# KiCad board Li-ion charger_panel.kicad_pcb (continued)
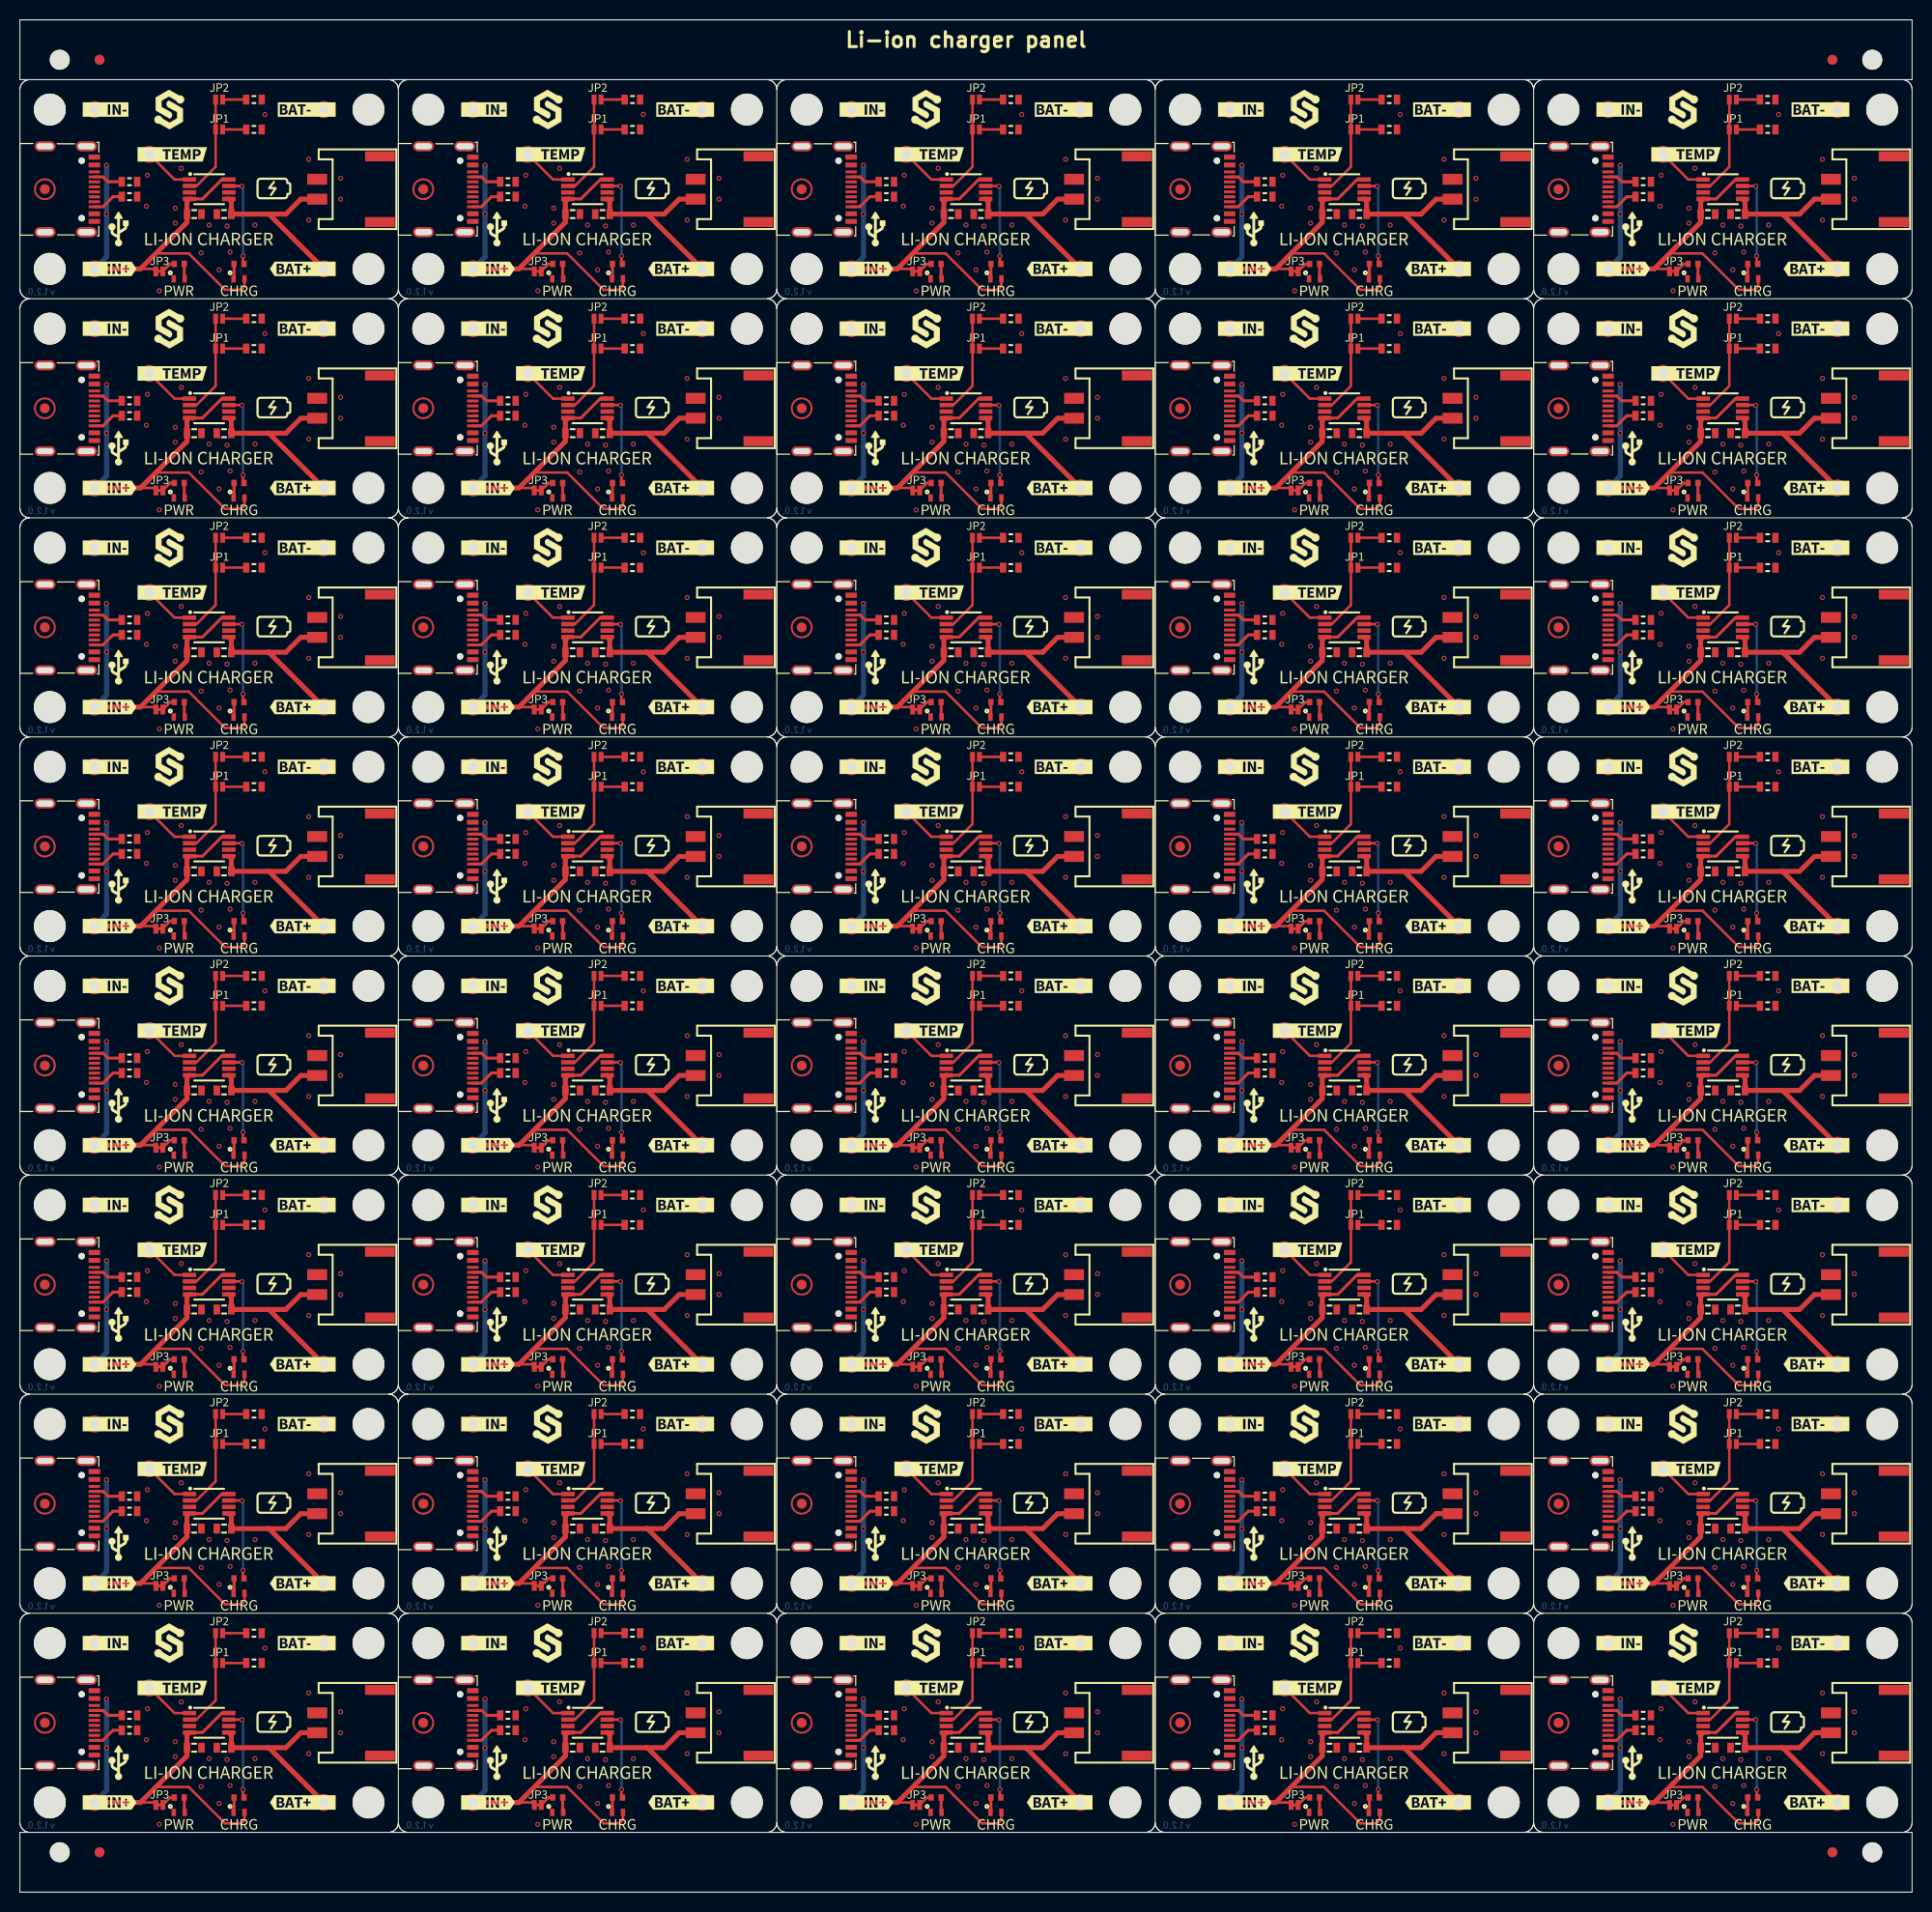
[diagram p0: board, top side]
## Placement (name value [footprint] x y rotation side) (continued)
H1#27  -  [HOLE_3.2mm]  149 69 270 top
H1#28  -  [HOLE_3.2mm]  149 25 270 top
H1#29  -  [HOLE_3.2mm]  187 179 270 top
H1#30  -  [HOLE_3.2mm]  149 47 270 top
H1#31  -  [HOLE_3.2mm]  111 157 270 top
H1#32  -  [HOLE_3.2mm]  111 179 270 top
H1#33  -  [HOLE_3.2mm]  35 91 270 top
H1#34  -  [HOLE_3.2mm]  73 113 270 top
H1#35  -  [HOLE_3.2mm]  149 91 270 top
H1#36  -  [HOLE_3.2mm]  111 47 270 top
H1#37  -  [HOLE_3.2mm]  111 25 270 top
H1#38  -  [HOLE_3.2mm]  73 179 270 top
H1#39  -  [HOLE_3.2mm]  73 91 270 top
H1#40  -  [HOLE_3.2mm]  35 179 270 top
H2  -  [HOLE_3.2mm]  79 69 270 top
H2#2  -  [HOLE_3.2mm]  3 113 270 top
H2#3  -  [HOLE_3.2mm]  79 25 270 top
H2#4  -  [HOLE_3.2mm]  117 25 270 top
H2#5  -  [HOLE_3.2mm]  3 47 270 top
H2#6  -  [HOLE_3.2mm]  117 47 270 top
H2#7  -  [HOLE_3.2mm]  41 113 270 top
H2#8  -  [HOLE_3.2mm]  41 135 270 top
H2#9  -  [HOLE_3.2mm]  79 135 270 top
H2#10  -  [HOLE_3.2mm]  155 157 270 top
H2#11  -  [HOLE_3.2mm]  79 157 270 top
H2#12  -  [HOLE_3.2mm]  3 69 270 top
H2#13  -  [HOLE_3.2mm]  3 91 270 top
H2#14  -  [HOLE_3.2mm]  3 135 270 top
H2#15  -  [HOLE_3.2mm]  41 157 270 top
H2#16  -  [HOLE_3.2mm]  79 113 270 top
H2#17  -  [HOLE_3.2mm]  41 47 270 top
H2#18  -  [HOLE_3.2mm]  41 91 270 top
H2#19  -  [HOLE_3.2mm]  155 179 270 top
H2#20  -  [HOLE_3.2mm]  155 25 270 top
H2#21  -  [HOLE_3.2mm]  117 91 270 top
H2#22  -  [HOLE_3.2mm]  41 69 270 top
H2#23  -  [HOLE_3.2mm]  41 179 270 top
H2#24  -  [HOLE_3.2mm]  41 25 270 top
H2#25  -  [HOLE_3.2mm]  3 157 270 top
H2#26  -  [HOLE_3.2mm]  79 179 270 top
H2#27  -  [HOLE_3.2mm]  117 179 270 top
H2#28  -  [HOLE_3.2mm]  155 113 270 top
H2#29  -  [HOLE_3.2mm]  155 135 270 top
H2#30  -  [HOLE_3.2mm]  79 91 270 top
H2#31  -  [HOLE_3.2mm]  155 91 270 top
H2#32  -  [HOLE_3.2mm]  117 113 270 top
H2#33  -  [HOLE_3.2mm]  117 135 270 top
H2#34  -  [HOLE_3.2mm]  155 69 270 top
H2#35  -  [HOLE_3.2mm]  117 157 270 top
H2#36  -  [HOLE_3.2mm]  3 179 270 top
H2#37  -  [HOLE_3.2mm]  117 69 270 top
H2#38  -  [HOLE_3.2mm]  79 47 270 top
H2#39  -  [HOLE_3.2mm]  3 25 270 top
H2#40  -  [HOLE_3.2mm]  155 47 270 top
H3  -  [HOLE_3.2mm]  187 31 270 top
H3#2  -  [HOLE_3.2mm]  73 31 270 top
H3#3  -  [HOLE_3.2mm]  35 97 270 top
H3#4  -  [HOLE_3.2mm]  73 119 270 top
H3#5  -  [HOLE_3.2mm]  187 119 270 top
H3#6  -  [HOLE_3.2mm]  73 9 270 top
H3#7  -  [HOLE_3.2mm]  35 163 270 top
H3#8  -  [HOLE_3.2mm]  35 141 270 top
H3#9  -  [HOLE_3.2mm]  35 9 270 top
H3#10  -  [HOLE_3.2mm]  187 9 270 top
H3#11  -  [HOLE_3.2mm]  187 75 270 top
H3#12  -  [HOLE_3.2mm]  35 53 270 top
H3#13  -  [HOLE_3.2mm]  149 163 270 top
H3#14  -  [HOLE_3.2mm]  187 97 270 top
H3#15  -  [HOLE_3.2mm]  111 53 270 top
H3#16  -  [HOLE_3.2mm]  111 31 270 top
H3#17  -  [HOLE_3.2mm]  149 141 270 top
H3#18  -  [HOLE_3.2mm]  149 9 270 top
H3#19  -  [HOLE_3.2mm]  73 53 270 top
H3#20  -  [HOLE_3.2mm]  73 75 270 top
H3#21  -  [HOLE_3.2mm]  187 163 270 top
H3#22  -  [HOLE_3.2mm]  149 31 270 top
H3#23  -  [HOLE_3.2mm]  111 9 270 top
H3#24  -  [HOLE_3.2mm]  111 163 270 top
H3#25  -  [HOLE_3.2mm]  35 75 270 top
H3#26  -  [HOLE_3.2mm]  149 75 270 top
H3#27  -  [HOLE_3.2mm]  187 141 270 top
H3#28  -  [HOLE_3.2mm]  149 119 270 top
H3#29  -  [HOLE_3.2mm]  111 75 270 top
H3#30  -  [HOLE_3.2mm]  111 141 270 top
H3#31  -  [HOLE_3.2mm]  73 141 270 top
H3#32  -  [HOLE_3.2mm]  187 53 270 top
H3#33  -  [HOLE_3.2mm]  73 163 270 top
H3#34  -  [HOLE_3.2mm]  35 119 270 top
H3#35  -  [HOLE_3.2mm]  149 97 270 top
H3#36  -  [HOLE_3.2mm]  73 97 270 top
H3#37  -  [HOLE_3.2mm]  111 97 270 top
H3#38  -  [HOLE_3.2mm]  149 53 270 top
H3#39  -  [HOLE_3.2mm]  111 119 270 top
H3#40  -  [HOLE_3.2mm]  35 31 270 top
H4  -  [HOLE_3.2mm]  117 31 270 top
H4#2  -  [HOLE_3.2mm]  117 75 270 top
H4#3  -  [HOLE_3.2mm]  155 163 270 top
H4#4  -  [HOLE_3.2mm]  79 31 270 top
H4#5  -  [HOLE_3.2mm]  79 75 270 top
H4#6  -  [HOLE_3.2mm]  3 53 270 top
H4#7  -  [HOLE_3.2mm]  155 9 270 top
H4#8  -  [HOLE_3.2mm]  41 141 270 top
H4#9  -  [HOLE_3.2mm]  79 53 270 top
H4#10  -  [HOLE_3.2mm]  155 119 270 top
H4#11  -  [HOLE_3.2mm]  41 53 270 top
H4#12  -  [HOLE_3.2mm]  3 97 270 top
H4#13  -  [HOLE_3.2mm]  155 75 270 top
H4#14  -  [HOLE_3.2mm]  3 9 270 top
H4#15  -  [HOLE_3.2mm]  79 97 270 top
H4#16  -  [HOLE_3.2mm]  79 119 270 top
H4#17  -  [HOLE_3.2mm]  41 31 270 top
H4#18  -  [HOLE_3.2mm]  155 141 270 top
H4#19  -  [HOLE_3.2mm]  117 53 270 top
H4#20  -  [HOLE_3.2mm]  117 97 270 top
H4#21  -  [HOLE_3.2mm]  117 163 270 top
H4#22  -  [HOLE_3.2mm]  79 9 270 top
H4#23  -  [HOLE_3.2mm]  117 119 270 top
H4#24  -  [HOLE_3.2mm]  117 9 270 top
H4#25  -  [HOLE_3.2mm]  155 53 270 top
H4#26  -  [HOLE_3.2mm]  3 163 270 top
H4#27  -  [HOLE_3.2mm]  41 75 270 top
H4#28  -  [HOLE_3.2mm]  41 97 270 top
H4#29  -  [HOLE_3.2mm]  79 141 270 top
H4#30  -  [HOLE_3.2mm]  155 31 270 top
H4#31  -  [HOLE_3.2mm]  41 9 270 top
H4#32  -  [HOLE_3.2mm]  117 141 270 top
H4#33  -  [HOLE_3.2mm]  3 141 270 top
H4#34  -  [HOLE_3.2mm]  3 31 270 top
H4#35  -  [HOLE_3.2mm]  41 119 270 top
H4#36  -  [HOLE_3.2mm]  3 119 270 top
H4#37  -  [HOLE_3.2mm]  155 97 270 top
H4#38  -  [HOLE_3.2mm]  3 75 270 top
H4#39  -  [HOLE_3.2mm]  79 163 270 top
H4#40  -  [HOLE_3.2mm]  41 163 270 top
JP1  -  [SMD_JUMPER]  172 155 180 top
JP1#2  -  [SMD_JUMPER]  172 89 180 top
JP1#3  -  [SMD_JUMPER]  96 67 180 top
JP1#4  -  [SMD_JUMPER]  20 111 180 top
JP1#5  -  [SMD_JUMPER]  58 133 180 top
JP1#6  -  [SMD_JUMPER]  20 23 180 top
JP1#7  -  [SMD_JUMPER]  172 111 180 top
JP1#8  -  [SMD_JUMPER]  20 67 180 top
JP1#9  -  [SMD_JUMPER]  172 45 180 top
JP1#10  -  [SMD_JUMPER]  58 89 180 top
JP1#11  -  [SMD_JUMPER]  134 67 180 top
JP1#12  -  [SMD_JUMPER]  172 133 180 top
JP1#13  -  [SMD_JUMPER]  58 23 180 top
JP1#14  -  [SMD_JUMPER]  134 23 180 top
JP1#15  -  [SMD_JUMPER]  172 67 180 top
JP1#16  -  [SMD_JUMPER]  58 67 180 top
JP1#17  -  [SMD_JUMPER]  134 155 180 top
JP1#18  -  [SMD_JUMPER]  20 177 180 top
JP1#19  -  [SMD_JUMPER]  58 111 180 top
JP1#20  -  [SMD_JUMPER]  20 89 180 top
JP1#21  -  [SMD_JUMPER]  58 45 180 top
JP1#22  -  [SMD_JUMPER]  58 177 180 top
JP1#23  -  [SMD_JUMPER]  172 177 180 top
JP1#24  -  [SMD_JUMPER]  96 111 180 top
JP1#25  -  [SMD_JUMPER]  134 177 180 top
JP1#26  -  [SMD_JUMPER]  96 155 180 top
JP1#27  -  [SMD_JUMPER]  20 133 180 top
JP1#28  -  [SMD_JUMPER]  58 155 180 top
JP1#29  -  [SMD_JUMPER]  96 89 180 top
JP1#30  -  [SMD_JUMPER]  96 177 180 top
JP1#31  -  [SMD_JUMPER]  134 133 180 top
JP1#32  -  [SMD_JUMPER]  134 111 180 top
JP1#33  -  [SMD_JUMPER]  134 89 180 top
JP1#34  -  [SMD_JUMPER]  172 23 180 top
JP1#35  -  [SMD_JUMPER]  96 45 180 top
JP1#36  -  [SMD_JUMPER]  20 45 180 top
JP1#37  -  [SMD_JUMPER]  20 155 180 top
JP1#38  -  [SMD_JUMPER]  96 23 180 top
JP1#39  -  [SMD_JUMPER]  134 45 180 top
JP1#40  -  [SMD_JUMPER]  96 133 180 top
JP2  SMD-JUMPER-CONNECTED  [SMD_JUMPER_CONNECTED]  172 158 180 top
JP2#2  SMD-JUMPER-CONNECTED  [SMD_JUMPER_CONNECTED]  58 158 180 top
JP2#3  SMD-JUMPER-CONNECTED  [SMD_JUMPER_CONNECTED]  134 48 180 top
JP2#4  SMD-JUMPER-CONNECTED  [SMD_JUMPER_CONNECTED]  96 114 180 top
JP2#5  SMD-JUMPER-CONNECTED  [SMD_JUMPER_CONNECTED]  96 70 180 top
JP2#6  SMD-JUMPER-CONNECTED  [SMD_JUMPER_CONNECTED]  58 26 180 top
JP2#7  SMD-JUMPER-CONNECTED  [SMD_JUMPER_CONNECTED]  20 92 180 top
JP2#8  SMD-JUMPER-CONNECTED  [SMD_JUMPER_CONNECTED]  20 136 180 top
JP2#9  SMD-JUMPER-CONNECTED  [SMD_JUMPER_CONNECTED]  134 136 180 top
JP2#10  SMD-JUMPER-CONNECTED  [SMD_JUMPER_CONNECTED]  134 114 180 top
JP2#11  SMD-JUMPER-CONNECTED  [SMD_JUMPER_CONNECTED]  20 180 180 top
JP2#12  SMD-JUMPER-CONNECTED  [SMD_JUMPER_CONNECTED]  172 92 180 top
JP2#13  SMD-JUMPER-CONNECTED  [SMD_JUMPER_CONNECTED]  172 136 180 top
JP2#14  SMD-JUMPER-CONNECTED  [SMD_JUMPER_CONNECTED]  20 70 180 top
JP2#15  SMD-JUMPER-CONNECTED  [SMD_JUMPER_CONNECTED]  20 114 180 top
JP2#16  SMD-JUMPER-CONNECTED  [SMD_JUMPER_CONNECTED]  96 158 180 top
JP2#17  SMD-JUMPER-CONNECTED  [SMD_JUMPER_CONNECTED]  172 48 180 top
JP2#18  SMD-JUMPER-CONNECTED  [SMD_JUMPER_CONNECTED]  58 180 180 top
JP2#19  SMD-JUMPER-CONNECTED  [SMD_JUMPER_CONNECTED]  172 114 180 top
JP2#20  SMD-JUMPER-CONNECTED  [SMD_JUMPER_CONNECTED]  96 26 180 top
JP2#21  SMD-JUMPER-CONNECTED  [SMD_JUMPER_CONNECTED]  96 92 180 top
JP2#22  SMD-JUMPER-CONNECTED  [SMD_JUMPER_CONNECTED]  134 180 180 top
JP2#23  SMD-JUMPER-CONNECTED  [SMD_JUMPER_CONNECTED]  96 48 180 top
JP2#24  SMD-JUMPER-CONNECTED  [SMD_JUMPER_CONNECTED]  172 26 180 top
JP2#25  SMD-JUMPER-CONNECTED  [SMD_JUMPER_CONNECTED]  58 92 180 top
JP2#26  SMD-JUMPER-CONNECTED  [SMD_JUMPER_CONNECTED]  96 180 180 top
JP2#27  SMD-JUMPER-CONNECTED  [SMD_JUMPER_CONNECTED]  58 70 180 top
JP2#28  SMD-JUMPER-CONNECTED  [SMD_JUMPER_CONNECTED]  58 136 180 top
JP2#29  SMD-JUMPER-CONNECTED  [SMD_JUMPER_CONNECTED]  20 48 180 top
JP2#30  SMD-JUMPER-CONNECTED  [SMD_JUMPER_CONNECTED]  58 48 180 top
JP2#31  SMD-JUMPER-CONNECTED  [SMD_JUMPER_CONNECTED]  134 70 180 top
JP2#32  SMD-JUMPER-CONNECTED  [SMD_JUMPER_CONNECTED]  20 158 180 top
JP2#33  SMD-JUMPER-CONNECTED  [SMD_JUMPER_CONNECTED]  134 158 180 top
JP2#34  SMD-JUMPER-CONNECTED  [SMD_JUMPER_CONNECTED]  96 136 180 top
JP2#35  SMD-JUMPER-CONNECTED  [SMD_JUMPER_CONNECTED]  58 114 180 top
JP2#36  SMD-JUMPER-CONNECTED  [SMD_JUMPER_CONNECTED]  134 92 180 top
JP2#37  SMD-JUMPER-CONNECTED  [SMD_JUMPER_CONNECTED]  20 26 180 top
JP2#38  SMD-JUMPER-CONNECTED  [SMD_JUMPER_CONNECTED]  134 26 180 top
JP2#39  SMD-JUMPER-CONNECTED  [SMD_JUMPER_CONNECTED]  172 70 180 top
JP2#40  SMD-JUMPER-CONNECTED  [SMD_JUMPER_CONNECTED]  172 180 180 top
JP3  -  [SMD-JUMPER-CONNECTED_TRACE_SLODERMASK]  128 52.75 0 top
JP3#2  -  [SMD-JUMPER-CONNECTED_TRACE_SLODERMASK]  90 118.75 0 top
JP3#3  -  [SMD-JUMPER-CONNECTED_TRACE_SLODERMASK]  128 8.75 0 top
JP3#4  -  [SMD-JUMPER-CONNECTED_TRACE_SLODERMASK]  14 74.75 0 top
JP3#5  -  [SMD-JUMPER-CONNECTED_TRACE_SLODERMASK]  166 74.75 0 top
JP3#6  -  [SMD-JUMPER-CONNECTED_TRACE_SLODERMASK]  90 162.75 0 top
JP3#7  -  [SMD-JUMPER-CONNECTED_TRACE_SLODERMASK]  128 96.75 0 top
JP3#8  -  [SMD-JUMPER-CONNECTED_TRACE_SLODERMASK]  14 30.75 0 top
JP3#9  -  [SMD-JUMPER-CONNECTED_TRACE_SLODERMASK]  52 118.75 0 top
JP3#10  -  [SMD-JUMPER-CONNECTED_TRACE_SLODERMASK]  166 140.75 0 top
JP3#11  -  [SMD-JUMPER-CONNECTED_TRACE_SLODERMASK]  52 52.75 0 top
JP3#12  -  [SMD-JUMPER-CONNECTED_TRACE_SLODERMASK]  166 118.75 0 top
JP3#13  -  [SMD-JUMPER-CONNECTED_TRACE_SLODERMASK]  14 118.75 0 top
JP3#14  -  [SMD-JUMPER-CONNECTED_TRACE_SLODERMASK]  128 118.75 0 top
JP3#15  -  [SMD-JUMPER-CONNECTED_TRACE_SLODERMASK]  52 8.75 0 top
JP3#16  -  [SMD-JUMPER-CONNECTED_TRACE_SLODERMASK]  14 162.75 0 top
JP3#17  -  [SMD-JUMPER-CONNECTED_TRACE_SLODERMASK]  128 162.75 0 top
JP3#18  -  [SMD-JUMPER-CONNECTED_TRACE_SLODERMASK]  14 52.75 0 top
JP3#19  -  [SMD-JUMPER-CONNECTED_TRACE_SLODERMASK]  52 74.75 0 top
JP3#20  -  [SMD-JUMPER-CONNECTED_TRACE_SLODERMASK]  14 8.75 0 top
JP3#21  -  [SMD-JUMPER-CONNECTED_TRACE_SLODERMASK]  14 96.75 0 top
JP3#22  -  [SMD-JUMPER-CONNECTED_TRACE_SLODERMASK]  166 52.75 0 top
JP3#23  -  [SMD-JUMPER-CONNECTED_TRACE_SLODERMASK]  52 162.75 0 top
JP3#24  -  [SMD-JUMPER-CONNECTED_TRACE_SLODERMASK]  52 96.75 0 top
JP3#25  -  [SMD-JUMPER-CONNECTED_TRACE_SLODERMASK]  14 140.75 0 top
JP3#26  -  [SMD-JUMPER-CONNECTED_TRACE_SLODERMASK]  52 140.75 0 top
JP3#27  -  [SMD-JUMPER-CONNECTED_TRACE_SLODERMASK]  128 74.75 0 top
JP3#28  -  [SMD-JUMPER-CONNECTED_TRACE_SLODERMASK]  90 52.75 0 top
JP3#29  -  [SMD-JUMPER-CONNECTED_TRACE_SLODERMASK]  166 162.75 0 top
JP3#30  -  [SMD-JUMPER-CONNECTED_TRACE_SLODERMASK]  90 8.75 0 top
JP3#31  -  [SMD-JUMPER-CONNECTED_TRACE_SLODERMASK]  128 140.75 0 top
JP3#32  -  [SMD-JUMPER-CONNECTED_TRACE_SLODERMASK]  90 140.75 0 top
JP3#33  -  [SMD-JUMPER-CONNECTED_TRACE_SLODERMASK]  52 30.75 0 top
JP3#34  -  [SMD-JUMPER-CONNECTED_TRACE_SLODERMASK]  90 96.75 0 top
JP3#35  -  [SMD-JUMPER-CONNECTED_TRACE_SLODERMASK]  90 74.75 0 top
JP3#36  -  [SMD-JUMPER-CONNECTED_TRACE_SLODERMASK]  166 96.75 0 top
JP3#37  -  [SMD-JUMPER-CONNECTED_TRACE_SLODERMASK]  90 30.75 0 top
JP3#38  -  [SMD-JUMPER-CONNECTED_TRACE_SLODERMASK]  166 30.75 0 top
JP3#39  -  [SMD-JUMPER-CONNECTED_TRACE_SLODERMASK]  166 8.75 0 top
JP3#40  -  [SMD-JUMPER-CONNECTED_TRACE_SLODERMASK]  128 30.75 0 top
K1  -  [U262-161N-4BVC11]  41 105 90 top
K1#2  -  [U262-161N-4BVC11]  117 171 90 top
K1#3  -  [U262-161N-4BVC11]  79 171 90 top
K1#4  -  [U262-161N-4BVC11]  41 149 90 top
K1#5  -  [U262-161N-4BVC11]  79 39 90 top
K1#6  -  [U262-161N-4BVC11]  117 83 90 top
K1#7  -  [U262-161N-4BVC11]  3 171 90 top
K1#8  -  [U262-161N-4BVC11]  3 105 90 top
K1#9  -  [U262-161N-4BVC11]  79 149 90 top
K1#10  -  [U262-161N-4BVC11]  79 83 90 top
K1#11  -  [U262-161N-4BVC11]  79 17 90 top
K1#12  -  [U262-161N-4BVC11]  117 127 90 top
K1#13  -  [U262-161N-4BVC11]  117 149 90 top
K1#14  -  [U262-161N-4BVC11]  117 105 90 top
K1#15  -  [U262-161N-4BVC11]  79 105 90 top
K1#16  -  [U262-161N-4BVC11]  117 39 90 top
K1#17  -  [U262-161N-4BVC11]  41 83 90 top
K1#18  -  [U262-161N-4BVC11]  155 17 90 top
K1#19  -  [U262-161N-4BVC11]  117 61 90 top
K1#20  -  [U262-161N-4BVC11]  155 39 90 top
K1#21  -  [U262-161N-4BVC11]  3 83 90 top
K1#22  -  [U262-161N-4BVC11]  155 171 90 top
K1#23  -  [U262-161N-4BVC11]  79 127 90 top
K1#24  -  [U262-161N-4BVC11]  41 171 90 top
K1#25  -  [U262-161N-4BVC11]  155 127 90 top
K1#26  -  [U262-161N-4BVC11]  155 105 90 top
K1#27  -  [U262-161N-4BVC11]  3 149 90 top
K1#28  -  [U262-161N-4BVC11]  3 61 90 top
K1#29  -  [U262-161N-4BVC11]  3 17 90 top
K1#30  -  [U262-161N-4BVC11]  41 39 90 top
K1#31  -  [U262-161N-4BVC11]  79 61 90 top
K1#32  -  [U262-161N-4BVC11]  155 61 90 top
K1#33  -  [U262-161N-4BVC11]  155 149 90 top
K1#34  -  [U262-161N-4BVC11]  155 83 90 top
K1#35  -  [U262-161N-4BVC11]  41 127 90 top
K1#36  -  [U262-161N-4BVC11]  3 39 90 top
K1#37  -  [U262-161N-4BVC11]  41 61 90 top
K1#38  -  [U262-161N-4BVC11]  41 17 90 top
K1#39  -  [U262-161N-4BVC11]  117 17 90 top
K1#40  -  [U262-161N-4BVC11]  3 127 90 top
K2  -  [HEADER_MALE_1X1]  159.5 119 90 bottom
K2#2  -  [HEADER_MALE_1X1]  83.5 53 90 bottom
K2#3  -  [HEADER_MALE_1X1]  121.5 163 90 bottom
K2#4  -  [HEADER_MALE_1X1]  121.5 53 90 bottom
K2#5  -  [HEADER_MALE_1X1]  121.5 75 90 bottom
K2#6  -  [HEADER_MALE_1X1]  45.5 75 90 bottom
K2#7  -  [HEADER_MALE_1X1]  159.5 141 90 bottom
K2#8  -  [HEADER_MALE_1X1]  159.5 97 90 bottom
K2#9  -  [HEADER_MALE_1X1]  159.5 75 90 bottom
K2#10  -  [HEADER_MALE_1X1]  159.5 53 90 bottom
K2#11  -  [HEADER_MALE_1X1]  45.5 31 90 bottom
K2#12  -  [HEADER_MALE_1X1]  83.5 31 90 bottom
K2#13  -  [HEADER_MALE_1X1]  45.5 163 90 bottom
K2#14  -  [HEADER_MALE_1X1]  121.5 119 90 bottom
K2#15  -  [HEADER_MALE_1X1]  83.5 163 90 bottom
K2#16  -  [HEADER_MALE_1X1]  83.5 119 90 bottom
K2#17  -  [HEADER_MALE_1X1]  121.5 141 90 bottom
K2#18  -  [HEADER_MALE_1X1]  121.5 97 90 bottom
K2#19  -  [HEADER_MALE_1X1]  121.5 31 90 bottom
K2#20  -  [HEADER_MALE_1X1]  7.5 53 90 bottom
K2#21  -  [HEADER_MALE_1X1]  7.5 31 90 bottom
K2#22  -  [HEADER_MALE_1X1]  7.5 163 90 bottom
K2#23  -  [HEADER_MALE_1X1]  7.5 75 90 bottom
K2#24  -  [HEADER_MALE_1X1]  45.5 119 90 bottom
K2#25  -  [HEADER_MALE_1X1]  45.5 9 90 bottom
K2#26  -  [HEADER_MALE_1X1]  159.5 9 90 bottom
K2#27  -  [HEADER_MALE_1X1]  7.5 141 90 bottom
K2#28  -  [HEADER_MALE_1X1]  83.5 97 90 bottom
K2#29  -  [HEADER_MALE_1X1]  159.5 31 90 bottom
K2#30  -  [HEADER_MALE_1X1]  83.5 9 90 bottom
K2#31  -  [HEADER_MALE_1X1]  121.5 9 90 bottom
K2#32  -  [HEADER_MALE_1X1]  7.5 9 90 bottom
K2#33  -  [HEADER_MALE_1X1]  7.5 97 90 bottom
K2#34  -  [HEADER_MALE_1X1]  83.5 75 90 bottom
K2#35  -  [HEADER_MALE_1X1]  45.5 53 90 bottom
K2#36  -  [HEADER_MALE_1X1]  45.5 97 90 bottom
K2#37  -  [HEADER_MALE_1X1]  7.5 119 90 bottom
K2#38  -  [HEADER_MALE_1X1]  45.5 141 90 bottom
K2#39  -  [HEADER_MALE_1X1]  159.5 163 90 bottom
K2#40  -  [HEADER_MALE_1X1]  83.5 141 90 bottom
K3  -  [HEADER_MALE_1X1]  121.5 91 90 bottom
K3#2  -  [HEADER_MALE_1X1]  121.5 25 90 bottom
K3#3  -  [HEADER_MALE_1X1]  83.5 47 90 bottom
K3#4  -  [HEADER_MALE_1X1]  159.5 135 90 bottom
K3#5  -  [HEADER_MALE_1X1]  159.5 47 90 bottom
K3#6  -  [HEADER_MALE_1X1]  45.5 69 90 bottom
K3#7  -  [HEADER_MALE_1X1]  83.5 113 90 bottom
K3#8  -  [HEADER_MALE_1X1]  45.5 135 90 bottom
K3#9  -  [HEADER_MALE_1X1]  83.5 135 90 bottom
K3#10  -  [HEADER_MALE_1X1]  83.5 25 90 bottom
K3#11  -  [HEADER_MALE_1X1]  45.5 113 90 bottom
K3#12  -  [HEADER_MALE_1X1]  121.5 179 90 bottom
K3#13  -  [HEADER_MALE_1X1]  159.5 157 90 bottom
K3#14  -  [HEADER_MALE_1X1]  121.5 113 90 bottom
K3#15  -  [HEADER_MALE_1X1]  83.5 157 90 bottom
K3#16  -  [HEADER_MALE_1X1]  121.5 157 90 bottom
K3#17  -  [HEADER_MALE_1X1]  7.5 91 90 bottom
K3#18  -  [HEADER_MALE_1X1]  121.5 135 90 bottom
K3#19  -  [HEADER_MALE_1X1]  45.5 157 90 bottom
K3#20  -  [HEADER_MALE_1X1]  83.5 91 90 bottom
K3#21  -  [HEADER_MALE_1X1]  45.5 47 90 bottom
K3#22  -  [HEADER_MALE_1X1]  45.5 91 90 bottom
K3#23  -  [HEADER_MALE_1X1]  121.5 47 90 bottom
K3#24  -  [HEADER_MALE_1X1]  7.5 47 90 bottom
K3#25  -  [HEADER_MALE_1X1]  121.5 69 90 bottom
K3#26  -  [HEADER_MALE_1X1]  83.5 179 90 bottom
K3#27  -  [HEADER_MALE_1X1]  45.5 179 90 bottom
K3#28  -  [HEADER_MALE_1X1]  7.5 135 90 bottom
K3#29  -  [HEADER_MALE_1X1]  83.5 69 90 bottom
K3#30  -  [HEADER_MALE_1X1]  7.5 157 90 bottom
K3#31  -  [HEADER_MALE_1X1]  159.5 91 90 bottom
K3#32  -  [HEADER_MALE_1X1]  45.5 25 90 bottom
K3#33  -  [HEADER_MALE_1X1]  159.5 113 90 bottom
K3#34  -  [HEADER_MALE_1X1]  7.5 179 90 bottom
K3#35  -  [HEADER_MALE_1X1]  7.5 25 90 bottom
K3#36  -  [HEADER_MALE_1X1]  159.5 25 90 bottom
K3#37  -  [HEADER_MALE_1X1]  7.5 69 90 bottom
K3#38  -  [HEADER_MALE_1X1]  7.5 113 90 bottom
K3#39  -  [HEADER_MALE_1X1]  159.5 69 90 bottom
K3#40  -  [HEADER_MALE_1X1]  159.5 179 90 bottom
K4  -  [HEADER_MALE_1X1]  51 42.5 270 top
K4#2  -  [HEADER_MALE_1X1]  165 108.5 270 top
K4#3  -  [HEADER_MALE_1X1]  13 86.5 270 top
K4#4  -  [HEADER_MALE_1X1]  127 20.5 270 top
K4#5  -  [HEADER_MALE_1X1]  127 108.5 270 top
K4#6  -  [HEADER_MALE_1X1]  89 42.5 270 top
K4#7  -  [HEADER_MALE_1X1]  89 130.5 270 top
K4#8  -  [HEADER_MALE_1X1]  165 174.5 270 top
K4#9  -  [HEADER_MALE_1X1]  51 108.5 270 top
K4#10  -  [HEADER_MALE_1X1]  51 174.5 270 top
K4#11  -  [HEADER_MALE_1X1]  89 20.5 270 top
K4#12  -  [HEADER_MALE_1X1]  89 86.5 270 top
K4#13  -  [HEADER_MALE_1X1]  51 130.5 270 top
K4#14  -  [HEADER_MALE_1X1]  13 42.5 270 top
K4#15  -  [HEADER_MALE_1X1]  165 152.5 270 top
K4#16  -  [HEADER_MALE_1X1]  13 130.5 270 top
K4#17  -  [HEADER_MALE_1X1]  127 130.5 270 top
K4#18  -  [HEADER_MALE_1X1]  51 152.5 270 top
K4#19  -  [HEADER_MALE_1X1]  89 174.5 270 top
K4#20  -  [HEADER_MALE_1X1]  127 86.5 270 top
K4#21  -  [HEADER_MALE_1X1]  165 42.5 270 top
K4#22  -  [HEADER_MALE_1X1]  13 20.5 270 top
K4#23  -  [HEADER_MALE_1X1]  51 86.5 270 top
K4#24  -  [HEADER_MALE_1X1]  13 64.5 270 top
K4#25  -  [HEADER_MALE_1X1]  127 42.5 270 top
K4#26  -  [HEADER_MALE_1X1]  165 130.5 270 top
K4#27  -  [HEADER_MALE_1X1]  51 20.5 270 top
K4#28  -  [HEADER_MALE_1X1]  89 64.5 270 top
K4#29  -  [HEADER_MALE_1X1]  13 108.5 270 top
K4#30  -  [HEADER_MALE_1X1]  127 152.5 270 top
K4#31  -  [HEADER_MALE_1X1]  165 64.5 270 top
K4#32  -  [HEADER_MALE_1X1]  13 152.5 270 top
K4#33  -  [HEADER_MALE_1X1]  13 174.5 270 top
K4#34  -  [HEADER_MALE_1X1]  127 174.5 270 top
K4#35  -  [HEADER_MALE_1X1]  165 86.5 270 top
K4#36  -  [HEADER_MALE_1X1]  51 64.5 270 top
K4#37  -  [HEADER_MALE_1X1]  89 152.5 270 top
K4#38  -  [HEADER_MALE_1X1]  165 20.5 270 top
K4#39  -  [HEADER_MALE_1X1]  89 108.5 270 top
K4#40  -  [HEADER_MALE_1X1]  127 64.5 270 top
K5  -  [HEADER_MALE_1X1]  182.5 163 90 bottom
K5#2  -  [HEADER_MALE_1X1]  182.5 119 90 bottom
K5#3  -  [HEADER_MALE_1X1]  106.5 97 90 bottom
K5#4  -  [HEADER_MALE_1X1]  144.5 163 90 bottom
K5#5  -  [HEADER_MALE_1X1]  30.5 163 90 bottom
K5#6  -  [HEADER_MALE_1X1]  68.5 75 90 bottom
K5#7  -  [HEADER_MALE_1X1]  144.5 9 90 bottom
K5#8  -  [HEADER_MALE_1X1]  182.5 53 90 bottom
K5#9  -  [HEADER_MALE_1X1]  30.5 53 90 bottom
K5#10  -  [HEADER_MALE_1X1]  68.5 163 90 bottom
K5#11  -  [HEADER_MALE_1X1]  30.5 119 90 bottom
K5#12  -  [HEADER_MALE_1X1]  68.5 9 90 bottom
K5#13  -  [HEADER_MALE_1X1]  68.5 141 90 bottom
K5#14  -  [HEADER_MALE_1X1]  30.5 31 90 bottom
K5#15  -  [HEADER_MALE_1X1]  68.5 31 90 bottom
K5#16  -  [HEADER_MALE_1X1]  106.5 31 90 bottom
K5#17  -  [HEADER_MALE_1X1]  68.5 119 90 bottom
K5#18  -  [HEADER_MALE_1X1]  144.5 97 90 bottom
K5#19  -  [HEADER_MALE_1X1]  30.5 75 90 bottom
K5#20  -  [HEADER_MALE_1X1]  106.5 9 90 bottom
K5#21  -  [HEADER_MALE_1X1]  106.5 75 90 bottom
K5#22  -  [HEADER_MALE_1X1]  106.5 141 90 bottom
K5#23  -  [HEADER_MALE_1X1]  106.5 53 90 bottom
K5#24  -  [HEADER_MALE_1X1]  182.5 31 90 bottom
K5#25  -  [HEADER_MALE_1X1]  30.5 97 90 bottom
K5#26  -  [HEADER_MALE_1X1]  182.5 141 90 bottom
K5#27  -  [HEADER_MALE_1X1]  182.5 97 90 bottom
K5#28  -  [HEADER_MALE_1X1]  106.5 119 90 bottom
K5#29  -  [HEADER_MALE_1X1]  144.5 53 90 bottom
K5#30  -  [HEADER_MALE_1X1]  144.5 31 90 bottom
K5#31  -  [HEADER_MALE_1X1]  30.5 141 90 bottom
K5#32  -  [HEADER_MALE_1X1]  144.5 75 90 bottom
K5#33  -  [HEADER_MALE_1X1]  144.5 119 90 bottom
K5#34  -  [HEADER_MALE_1X1]  182.5 9 90 bottom
K5#35  -  [HEADER_MALE_1X1]  68.5 97 90 bottom
K5#36  -  [HEADER_MALE_1X1]  182.5 75 90 bottom
K5#37  -  [HEADER_MALE_1X1]  30.5 9 90 bottom
K5#38  -  [HEADER_MALE_1X1]  144.5 141 90 bottom
K5#39  -  [HEADER_MALE_1X1]  68.5 53 90 bottom
K5#40  -  [HEADER_MALE_1X1]  106.5 163 90 bottom
K6  -  [HEADER_MALE_1X1]  106.5 179 90 bottom
K6#2  -  [HEADER_MALE_1X1]  182.5 47 90 bottom
K6#3  -  [HEADER_MALE_1X1]  182.5 91 90 bottom
K6#4  -  [HEADER_MALE_1X1]  144.5 91 90 bottom
K6#5  -  [HEADER_MALE_1X1]  144.5 135 90 bottom
K6#6  -  [HEADER_MALE_1X1]  182.5 113 90 bottom
K6#7  -  [HEADER_MALE_1X1]  182.5 135 90 bottom
K6#8  -  [HEADER_MALE_1X1]  144.5 179 90 bottom
K6#9  -  [HEADER_MALE_1X1]  144.5 113 90 bottom
K6#10  -  [HEADER_MALE_1X1]  68.5 157 90 bottom
K6#11  -  [HEADER_MALE_1X1]  144.5 157 90 bottom
K6#12  -  [HEADER_MALE_1X1]  106.5 47 90 bottom
K6#13  -  [HEADER_MALE_1X1]  182.5 25 90 bottom
K6#14  -  [HEADER_MALE_1X1]  68.5 47 90 bottom
K6#15  -  [HEADER_MALE_1X1]  106.5 157 90 bottom
K6#16  -  [HEADER_MALE_1X1]  106.5 113 90 bottom
K6#17  -  [HEADER_MALE_1X1]  106.5 91 90 bottom
K6#18  -  [HEADER_MALE_1X1]  106.5 135 90 bottom
K6#19  -  [HEADER_MALE_1X1]  30.5 157 90 bottom
K6#20  -  [HEADER_MALE_1X1]  68.5 69 90 bottom
K6#21  -  [HEADER_MALE_1X1]  30.5 113 90 bottom
K6#22  -  [HEADER_MALE_1X1]  30.5 69 90 bottom
K6#23  -  [HEADER_MALE_1X1]  30.5 91 90 bottom
K6#24  -  [HEADER_MALE_1X1]  68.5 25 90 bottom
K6#25  -  [HEADER_MALE_1X1]  30.5 47 90 bottom
K6#26  -  [HEADER_MALE_1X1]  182.5 157 90 bottom
K6#27  -  [HEADER_MALE_1X1]  30.5 25 90 bottom
K6#28  -  [HEADER_MALE_1X1]  106.5 25 90 bottom
K6#29  -  [HEADER_MALE_1X1]  144.5 25 90 bottom
K6#30  -  [HEADER_MALE_1X1]  106.5 69 90 bottom
K6#31  -  [HEADER_MALE_1X1]  68.5 179 90 bottom
K6#32  -  [HEADER_MALE_1X1]  68.5 91 90 bottom
K6#33  -  [HEADER_MALE_1X1]  30.5 135 90 bottom
K6#34  -  [HEADER_MALE_1X1]  182.5 179 90 bottom
K6#35  -  [HEADER_MALE_1X1]  68.5 135 90 bottom
K6#36  -  [HEADER_MALE_1X1]  144.5 69 90 bottom
K6#37  -  [HEADER_MALE_1X1]  30.5 179 90 bottom
K6#38  -  [HEADER_MALE_1X1]  68.5 113 90 bottom
K6#39  -  [HEADER_MALE_1X1]  182.5 69 90 bottom
K6#40  -  [HEADER_MALE_1X1]  144.5 47 90 bottom
K7  -  [JST-2pin-SMD]  147 171 270 top
K7#2  -  [JST-2pin-SMD]  147 39 270 top
K7#3  -  [JST-2pin-SMD]  185 83 270 top
K7#4  -  [JST-2pin-SMD]  71 149 270 top
K7#5  -  [JST-2pin-SMD]  71 105 270 top
K7#6  -  [JST-2pin-SMD]  185 39 270 top
K7#7  -  [JST-2pin-SMD]  33 171 270 top
K7#8  -  [JST-2pin-SMD]  109 83 270 top
K7#9  -  [JST-2pin-SMD]  33 17 270 top
K7#10  -  [JST-2pin-SMD]  109 39 270 top
K7#11  -  [JST-2pin-SMD]  185 171 270 top
K7#12  -  [JST-2pin-SMD]  147 149 270 top
K7#13  -  [JST-2pin-SMD]  109 127 270 top
K7#14  -  [JST-2pin-SMD]  185 127 270 top
K7#15  -  [JST-2pin-SMD]  147 83 270 top
K7#16  -  [JST-2pin-SMD]  185 149 270 top
K7#17  -  [JST-2pin-SMD]  109 149 270 top
K7#18  -  [JST-2pin-SMD]  109 17 270 top
K7#19  -  [JST-2pin-SMD]  33 61 270 top
K7#20  -  [JST-2pin-SMD]  109 105 270 top
K7#21  -  [JST-2pin-SMD]  33 83 270 top
K7#22  -  [JST-2pin-SMD]  71 171 270 top
K7#23  -  [JST-2pin-SMD]  33 105 270 top
K7#24  -  [JST-2pin-SMD]  71 39 270 top
K7#25  -  [JST-2pin-SMD]  71 61 270 top
K7#26  -  [JST-2pin-SMD]  147 17 270 top
K7#27  -  [JST-2pin-SMD]  147 105 270 top
K7#28  -  [JST-2pin-SMD]  185 105 270 top
K7#29  -  [JST-2pin-SMD]  147 61 270 top
K7#30  -  [JST-2pin-SMD]  185 17 270 top
K7#31  -  [JST-2pin-SMD]  147 127 270 top
K7#32  -  [JST-2pin-SMD]  71 17 270 top
K7#33  -  [JST-2pin-SMD]  185 61 270 top
K7#34  -  [JST-2pin-SMD]  33 127 270 top
K7#35  -  [JST-2pin-SMD]  33 39 270 top
K7#36  -  [JST-2pin-SMD]  33 149 270 top
K7#37  -  [JST-2pin-SMD]  71 83 270 top
K7#38  -  [JST-2pin-SMD]  109 61 270 top
K7#39  -  [JST-2pin-SMD]  71 127 270 top
K7#40  -  [JST-2pin-SMD]  109 171 270 top
kibuzzard-669504AA  G***  [kibuzzard-669504AA]  66.4 119 0 top
kibuzzard-669504AA#2  G***  [kibuzzard-669504AA]  28.4 119 0 top
kibuzzard-669504AA#3  G***  [kibuzzard-669504AA]  104.4 163 0 top
kibuzzard-669504AA#4  G***  [kibuzzard-669504AA]  28.4 97 0 top
kibuzzard-669504AA#5  G***  [kibuzzard-669504AA]  180.4 9 0 top
kibuzzard-669504AA#6  G***  [kibuzzard-669504AA]  66.4 53 0 top
kibuzzard-669504AA#7  G***  [kibuzzard-669504AA]  28.4 53 0 top
kibuzzard-669504AA#8  G***  [kibuzzard-669504AA]  180.4 31 0 top
kibuzzard-669504AA#9  G***  [kibuzzard-669504AA]  104.4 97 0 top
kibuzzard-669504AA#10  G***  [kibuzzard-669504AA]  104.4 31 0 top
kibuzzard-669504AA#11  G***  [kibuzzard-669504AA]  28.4 9 0 top
kibuzzard-669504AA#12  G***  [kibuzzard-669504AA]  104.4 119 0 top
kibuzzard-669504AA#13  G***  [kibuzzard-669504AA]  66.4 141 0 top
kibuzzard-669504AA#14  G***  [kibuzzard-669504AA]  142.4 141 0 top
kibuzzard-669504AA#15  G***  [kibuzzard-669504AA]  180.4 75 0 top
kibuzzard-669504AA#16  G***  [kibuzzard-669504AA]  180.4 141 0 top
kibuzzard-669504AA#17  G***  [kibuzzard-669504AA]  180.4 119 0 top
kibuzzard-669504AA#18  G***  [kibuzzard-669504AA]  66.4 31 0 top
kibuzzard-669504AA#19  G***  [kibuzzard-669504AA]  104.4 53 0 top
kibuzzard-669504AA#20  G***  [kibuzzard-669504AA]  66.4 97 0 top
kibuzzard-669504AA#21  G***  [kibuzzard-669504AA]  66.4 9 0 top
kibuzzard-669504AA#22  G***  [kibuzzard-669504AA]  28.4 75 0 top
kibuzzard-669504AA#23  G***  [kibuzzard-669504AA]  180.4 97 0 top
kibuzzard-669504AA#24  G***  [kibuzzard-669504AA]  142.4 31 0 top
kibuzzard-669504AA#25  G***  [kibuzzard-669504AA]  104.4 141 0 top
kibuzzard-669504AA#26  G***  [kibuzzard-669504AA]  142.4 75 0 top
kibuzzard-669504AA#27  G***  [kibuzzard-669504AA]  180.4 53 0 top
kibuzzard-669504AA#28  G***  [kibuzzard-669504AA]  180.4 163 0 top
kibuzzard-669504AA#29  G***  [kibuzzard-669504AA]  66.4 75 0 top
kibuzzard-669504AA#30  G***  [kibuzzard-669504AA]  28.4 163 0 top
kibuzzard-669504AA#31  G***  [kibuzzard-669504AA]  104.4 75 0 top
kibuzzard-669504AA#32  G***  [kibuzzard-669504AA]  104.4 9 0 top
kibuzzard-669504AA#33  G***  [kibuzzard-669504AA]  142.4 9 0 top
kibuzzard-669504AA#34  G***  [kibuzzard-669504AA]  142.4 163 0 top
kibuzzard-669504AA#35  G***  [kibuzzard-669504AA]  142.4 97 0 top
kibuzzard-669504AA#36  G***  [kibuzzard-669504AA]  28.4 31 0 top
kibuzzard-669504AA#37  G***  [kibuzzard-669504AA]  142.4 53 0 top
kibuzzard-669504AA#38  G***  [kibuzzard-669504AA]  28.4 141 0 top
kibuzzard-669504AA#39  G***  [kibuzzard-669504AA]  66.4 163 0 top
kibuzzard-669504AA#40  G***  [kibuzzard-669504AA]  142.4 119 0 top
kibuzzard-669504CA  G***  [kibuzzard-669504CA]  129.3 108.5 0 top
kibuzzard-669504CA#2  G***  [kibuzzard-669504CA]  91.3 42.5 0 top
kibuzzard-669504CA#3  G***  [kibuzzard-669504CA]  53.3 64.5 0 top
kibuzzard-669504CA#4  G***  [kibuzzard-669504CA]  53.3 130.5 0 top
kibuzzard-669504CA#5  G***  [kibuzzard-669504CA]  167.3 130.5 0 top
kibuzzard-669504CA#6  G***  [kibuzzard-669504CA]  167.3 42.5 0 top
kibuzzard-669504CA#7  G***  [kibuzzard-669504CA]  129.3 174.5 0 top
kibuzzard-669504CA#8  G***  [kibuzzard-669504CA]  53.3 108.5 0 top
kibuzzard-669504CA#9  G***  [kibuzzard-669504CA]  167.3 64.5 0 top
kibuzzard-669504CA#10  G***  [kibuzzard-669504CA]  15.3 108.5 0 top
kibuzzard-669504CA#11  G***  [kibuzzard-669504CA]  15.3 130.5 0 top
kibuzzard-669504CA#12  G***  [kibuzzard-669504CA]  167.3 86.5 0 top
kibuzzard-669504CA#13  G***  [kibuzzard-669504CA]  15.3 64.5 0 top
kibuzzard-669504CA#14  G***  [kibuzzard-669504CA]  53.3 174.5 0 top
kibuzzard-669504CA#15  G***  [kibuzzard-669504CA]  53.3 86.5 0 top
kibuzzard-669504CA#16  G***  [kibuzzard-669504CA]  53.3 42.5 0 top
kibuzzard-669504CA#17  G***  [kibuzzard-669504CA]  167.3 108.5 0 top
kibuzzard-669504CA#18  G***  [kibuzzard-669504CA]  91.3 64.5 0 top
kibuzzard-669504CA#19  G***  [kibuzzard-669504CA]  129.3 20.5 0 top
kibuzzard-669504CA#20  G***  [kibuzzard-669504CA]  91.3 174.5 0 top
kibuzzard-669504CA#21  G***  [kibuzzard-669504CA]  53.3 152.5 0 top
kibuzzard-669504CA#22  G***  [kibuzzard-669504CA]  167.3 174.5 0 top
kibuzzard-669504CA#23  G***  [kibuzzard-669504CA]  15.3 152.5 0 top
kibuzzard-669504CA#24  G***  [kibuzzard-669504CA]  15.3 174.5 0 top
kibuzzard-669504CA#25  G***  [kibuzzard-669504CA]  129.3 86.5 0 top
kibuzzard-669504CA#26  G***  [kibuzzard-669504CA]  91.3 108.5 0 top
kibuzzard-669504CA#27  G***  [kibuzzard-669504CA]  91.3 86.5 0 top
kibuzzard-669504CA#28  G***  [kibuzzard-669504CA]  129.3 64.5 0 top
kibuzzard-669504CA#29  G***  [kibuzzard-669504CA]  15.3 20.5 0 top
kibuzzard-669504CA#30  G***  [kibuzzard-669504CA]  167.3 152.5 0 top
kibuzzard-669504CA#31  G***  [kibuzzard-669504CA]  129.3 130.5 0 top
kibuzzard-669504CA#32  G***  [kibuzzard-669504CA]  15.3 42.5 0 top
kibuzzard-669504CA#33  G***  [kibuzzard-669504CA]  129.3 42.5 0 top
kibuzzard-669504CA#34  G***  [kibuzzard-669504CA]  167.3 20.5 0 top
kibuzzard-669504CA#35  G***  [kibuzzard-669504CA]  129.3 152.5 0 top
kibuzzard-669504CA#36  G***  [kibuzzard-669504CA]  91.3 152.5 0 top
kibuzzard-669504CA#37  G***  [kibuzzard-669504CA]  53.3 20.5 0 top
kibuzzard-669504CA#38  G***  [kibuzzard-669504CA]  15.3 86.5 0 top
kibuzzard-669504CA#39  G***  [kibuzzard-669504CA]  91.3 130.5 0 top
kibuzzard-669504CA#40  G***  [kibuzzard-669504CA]  91.3 20.5 0 top
kibuzzard-669504E0  G***  [kibuzzard-669504E0]  58 115.2 0 top
kibuzzard-669504E0#2  G***  [kibuzzard-669504E0]  20 137.2 0 top
kibuzzard-669504E0#3  G***  [kibuzzard-669504E0]  96 115.2 0 top
kibuzzard-669504E0#4  G***  [kibuzzard-669504E0]  58 159.2 0 top
kibuzzard-669504E0#5  G***  [kibuzzard-669504E0]  96 93.2 0 top
kibuzzard-669504E0#6  G***  [kibuzzard-669504E0]  134 137.2 0 top
kibuzzard-669504E0#7  G***  [kibuzzard-669504E0]  20 93.2 0 top
kibuzzard-669504E0#8  G***  [kibuzzard-669504E0]  58 49.2 0 top
kibuzzard-669504E0#9  G***  [kibuzzard-669504E0]  58 93.2 0 top
kibuzzard-669504E0#10  G***  [kibuzzard-669504E0]  134 115.2 0 top
kibuzzard-669504E0#11  G***  [kibuzzard-669504E0]  172 27.2 0 top
kibuzzard-669504E0#12  G***  [kibuzzard-669504E0]  58 27.2 0 top
kibuzzard-669504E0#13  G***  [kibuzzard-669504E0]  96 49.2 0 top
kibuzzard-669504E0#14  G***  [kibuzzard-669504E0]  172 71.2 0 top
kibuzzard-669504E0#15  G***  [kibuzzard-669504E0]  134 27.2 0 top
kibuzzard-669504E0#16  G***  [kibuzzard-669504E0]  20 181.2 0 top
kibuzzard-669504E0#17  G***  [kibuzzard-669504E0]  20 71.2 0 top
kibuzzard-669504E0#18  G***  [kibuzzard-669504E0]  172 93.2 0 top
kibuzzard-669504E0#19  G***  [kibuzzard-669504E0]  134 49.2 0 top
kibuzzard-669504E0#20  G***  [kibuzzard-669504E0]  58 181.2 0 top
kibuzzard-669504E0#21  G***  [kibuzzard-669504E0]  172 159.2 0 top
kibuzzard-669504E0#22  G***  [kibuzzard-669504E0]  96 159.2 0 top
kibuzzard-669504E0#23  G***  [kibuzzard-669504E0]  20 159.2 0 top
